# Altium PCB OCP-TimeCardMini-TI_V1.PcbDoc (part 9 of 11)
Units mil, origin at the board's own origin, x right, y up, seen from the top; angles counter-clockwise.
Board outline 5300.46 x 4396.02 mil, 10 copper layers (L01-TOP, L02-GND, L03-SIG, L04-GND, L05-PWR, L06-PWR, L07-GND, L08-SIG, L09-GND, L10-BOT), stack 77.164 mil thick; 832 components, 574 nets, 2904 pads, 1473 vias.
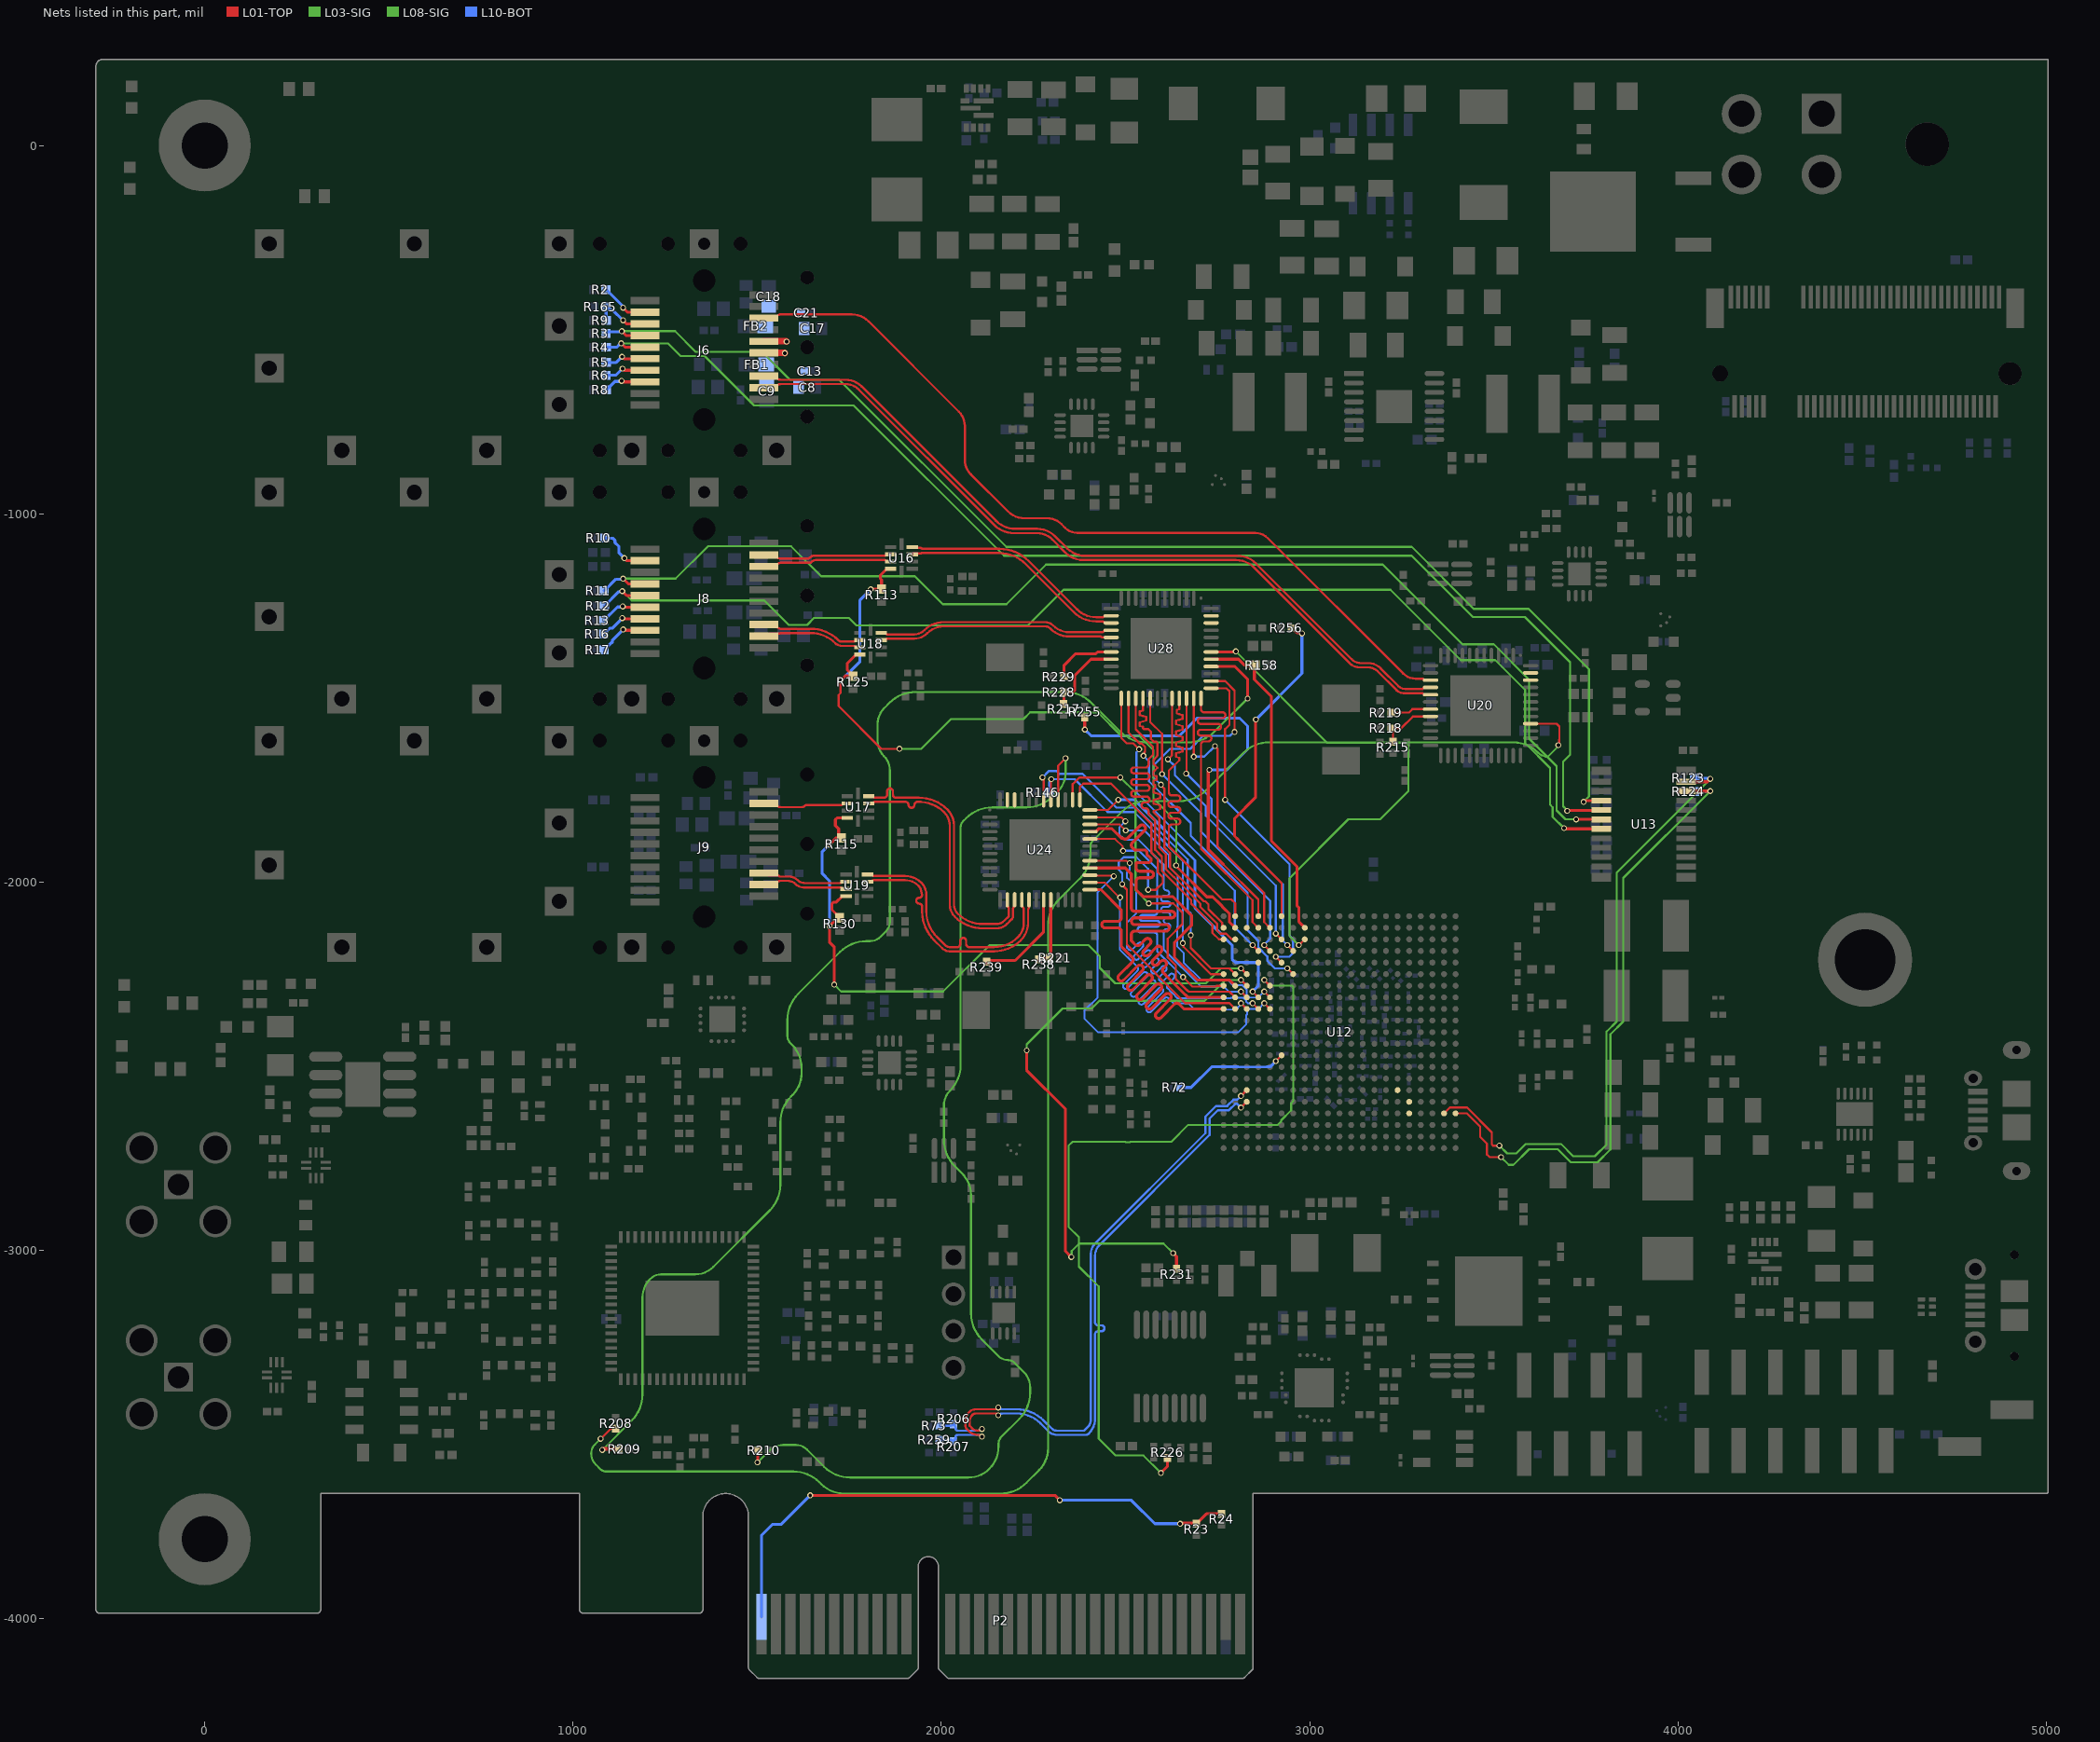
[diagram p17: the nets of this part, all layers, seen from the top]

## Via types
v1: diameter 16, hole 10, L01-TOP to L10-BOT, 1131 vias
v2: diameter 16, hole 10, L01-TOP to L10-BOT, tented both sides, 213 vias
v3: diameter 16, hole 10, L01-TOP to L10-BOT, tented top, 116 vias
v4: diameter 23.62, hole 11.81, L01-TOP to L10-BOT, 9 vias
v5: diameter 25.98, hole 12.99, L01-TOP to L10-BOT, tented top, 4 vias

## Nets (pads, with @x,y where several pads share a name; then routed paths per layer and width w, separated by ;. In a path a pad name is that pad's centre, name@x,y a point inside that pad or via, vN(x,y) a via of type N, cw(c..) or ccw(c..) an arc to the next point about the centre after c; other vN are vias at no path point) (continued)
PHY_SFP0_1G_P: J6.18 U20.15 | length 2286.3
  L01-TOP w6: J6.18@1517.72,-468.5 1540.17,-468.5 ccw(c1540.17,-451.43) J6.18@1552.23,-463.52 ; J6.18@1552.25,-463.5 cw(c1564.32,-475.58) 1564.32,-458.5 1756.71,-458.5 cw(c1756.71,-523.09) 1802.36,-477.39 2047.52,-722.56 ; 2047.55,-722.58 cw(c2008.58,-761.49) 2063.65,-761.49 2063.65,-853.18 ccw(c2119.55,-853.18) 2080.02,-892.71 2180.29,-992.99 ccw(c2226.14,-947.14) 2180.38,-993.07 ccw(c2226.14,-947.14) 2226.02,-1011.97 ccw(c2226.14,-947.14) 2226.14,-1011.97 2287.72,-1011.97 cw(c2287.72,-1065.99) 2325.92,-1027.8 2336.21,-1038.09 ccw(c2368.91,-1005.38) 2368.91,-1051.63 2852.03,-1051.63 cw(c2852.03,-1099.57) 2885.93,-1065.67 3253.8,-1433.54 ; 3253.83,-1433.58 ccw(c3287.52,-1399.81) 3287.52,-1447.51 3306.97,-1447.51 3311.06,-1451.61 U20.15@3328.09,-1451.61
PHY_SFP1_1G_N: U16.9 U28.14 | length 611.5
  L01-TOP w6: U16.9@1920.67,-1090.18 ccw(c1926.73,-1084.12) 1926.73,-1092.69 1943.57,-1092.69 cw(c1943.57,-1096.8) 1946.47,-1093.89 ccw(c1949.38,-1090.99) 1949.38,-1095.1 2157.98,-1095.1 cw(c2157.98,-1206.38) 2236.67,-1127.69 2368.04,-1259.07 ccw(c2420.38,-1206.73) 2420.38,-1280.74 2436.85,-1280.74 ccw(c2436.85,-1273.75) 2441.8,-1278.69 cw(c2446.74,-1283.64) 2446.74,-1276.65 U28.14@2460.87,-1276.65
PHY_SFP1_1G_P: U16.8 U28.15 | length 611.1
  L01-TOP w6: U16.8@1920.67,-1109.86 cw(c1926.73,-1115.93) 1926.73,-1107.35 1944.73,-1107.35 ccw(c1944.73,-1106.04) 1945.65,-1106.97 cw(c1946.58,-1107.9) 1946.58,-1106.59 2157.89,-1106.59 cw(c2157.89,-1206.59) 2228.6,-1135.87 2360,-1267.27 ccw(c2420.26,-1207) 2420.26,-1292.23 2436.85,-1292.23 cw(c2436.85,-1299.23) 2441.8,-1294.28 ccw(c2446.74,-1289.34) 2446.74,-1296.33 U28.15@2460.87,-1296.33
PHY_SFP2_1G_N: U17.9 U24.14 | length 748.9
  L01-TOP w6: U17.9@1802.91,-1766.58 1810.1,-1766.58 cw(c1810.1,-1773.57) 1815.05,-1768.63 ccw(c1820,-1763.68) 1820,-1770.68 1824,-1770.68 ; 1824.03,-1770.64 1841.62,-1770.64 1844.62,-1770.64 ccw(c1844.62,-1762.64) 1852.62,-1762.64 1852.62,-1753.61 cw(c1860.62,-1753.61) 1868.62,-1753.61 1868.62,-1762.64 ccw(c1876.62,-1762.64) 1876.62,-1770.64 1937.01,-1770.64 1938.98,-1770.64 cw(c1938.98,-1879.49) 2015.95,-1802.52 2016.14,-1802.72 cw(c1972.09,-1846.77) 2034.39,-1846.77 2034.39,-2061.43 ccw(c2068.34,-2061.43) 2044.33,-2085.43 ccw(c2112.73,-2017.03) 2112.73,-2113.76 2149.77,-2113.76 ccw(c2149.77,-2084.88) 2170.19,-2105.3 2183.23,-2092.26 2183.23,-2072.12 ccw(c2176.24,-2072.12) 2181.18,-2067.17 cw(c2186.13,-2062.22) 2179.13,-2062.22 U24.14@2179.13,-2048.1
PHY_SFP2_1G_P: U17.8 U24.15 | length 748.9
  L01-TOP w6: U17.8@1802.91,-1786.26 1810.1,-1786.26 ccw(c1810.1,-1779.27) 1815.05,-1784.21 cw(c1820,-1789.16) 1820,-1782.17 1828.76,-1782.17 ; 1828.79,-1782.13 1883.83,-1782.13 1902.83,-1782.13 cw(c1902.83,-1790.13) 1910.83,-1790.13 ccw(c1918.83,-1790.13) 1926.83,-1790.13 cw(c1934.83,-1790.13) 1934.83,-1782.13 1938.87,-1782.13 1943.58,-1782.24 cw(c1938.87,-1879.76) 1946.58,-1782.44 cw(c1938.87,-1879.76) 2007.9,-1810.73 cw(c1971.69,-1846.94) 2022.9,-1846.94 2022.9,-2061.52 ccw(c2068.1,-2061.52) 2036.14,-2093.48 2036.3,-2093.64 ccw(c2112.61,-2017.33) 2112.61,-2125.25 2149.87,-2125.25 ccw(c2149.87,-2085.14) 2178.24,-2113.5 2191.38,-2100.35 ccw(c2183.32,-2092.29) 2194.72,-2092.29 2194.72,-2072.12 cw(c2201.72,-2072.12) 2196.77,-2067.17 ccw(c2191.82,-2062.22) 2198.82,-2062.22 U24.15@2198.82,-2048.1
PORZ_OUT: U12.E17
PRG0_ECAP0_SYNC_IN: U12.V5
PRG0_IEP0_EDC_LATCH_IN0: R255.2 U12.V1 | length 1155.9
  L01-TOP w5.8: 2765.29,-1951.39 2860.75,-2046.84 U12.V1@2860.68,-2092.35
  L01-TOP w8: R255.2@2389.17,-1552.74 2389.17,-1585.58 v1(2389.29,-1585.7) ; v1(2727.6,-1695.33) 2724.53,-1698.4 2724.53,-1910.62 2765.29,-1951.39
  L10-BOT w8: v1(2389.29,-1585.7) 2406.51,-1602.93 2645.93,-1602.93 2694.11,-1554.74 2809.8,-1554.74 2831.37,-1576.31 2831.37,-1639.46 2775.51,-1695.33 v1(2727.6,-1695.33)
PRG0_IEP0_EDC_LATCH_IN1: R256.2 U12.T1 | length 930.4
  L01-TOP w5.8: 2805.92,-1884.82 2923.74,-2002.64 U12.T1@2923.68,-2092.35
  L01-TOP w8: 2805.92,-1884.82 2795.93,-1874.83 2795.93,-1827.58 2852.68,-1770.83 2852.68,-1559.74 v1(2853.72,-1558.7) ; R256.2@2951.1,-1309.99 2952.09,-1309.99 2965.36,-1323.26 2977.49,-1323.26 v1(2979.02,-1324.79)
  L10-BOT w8: v1(2853.72,-1558.7) 2979.02,-1433.39 v1(2979.02,-1324.79)
PRG0_MDIO0_MDC: U12.P3 U28.42 | length 1401.7
  L01-TOP w5.8: v2(2970.24,-2171.09) 2970.59,-2171.09 2986.34,-2155.35 U12.P3@2986.73,-2155.35
  L01-TOP w8: U28.42@2732.57,-1375.07 2797.56,-1375.07 v1(2799.25,-1373.37)
  L03-SIG w5.58: v1(2799.25,-1373.37) 3047.55,-1621.67 3260.35,-1621.67 3268.1,-1629.42 3268.1,-1752.87 3191.43,-1829.54 3104.95,-1829.54 2945.29,-1989.2 2945.29,-2146.14 v2(2970.24,-2171.09)
PRG0_MDIO0_MDIO: R158.1 U12.P2 U28.41 | length 893.5
  L01-TOP w7: 2970.68,-2098.98 2970.68,-2085.22
  L01-TOP w8: U28.41@2732.57,-1394.76 2807.05,-1394.76 2823.47,-1411.17 R158.1@2849.98,-1411.17 2849.98,-1449.59 2895.96,-1495.57 2895.96,-1887.72 2965.35,-1957.12 2965.35,-2061.85 2965.35,-2063.82 2970.68,-2069.15 2970.68,-2085.22 ; 2970.68,-2098.98 2970.93,-2099.23 2970.93,-2108.1 U12.P2@2986.68,-2123.85
PRG0_RGMII1_RD0: U12.Y1 U28.33 | length 962.5
  L01-TOP w5.8: U28.33@2645.93,-1501.08 2645.93,-1520.51 2645.93,-1530.42 2638.87,-1532.31 2638.87,-1542.31 2645.93,-1544.2 2654.82,-1546.58 2654.82,-1556.58 2645.93,-1558.96 2637.05,-1561.34 2637.05,-1571.34 2645.93,-1573.72 2654.82,-1576.11 2654.82,-1586.11 2645.93,-1588.49 2637.05,-1590.87 2637.05,-1600.87 2645.93,-1603.25 2654.82,-1605.63 2654.82,-1615.63 2645.93,-1618.01 2637.05,-1620.39 2637.05,-1630.39 2645.93,-1632.77 2654.82,-1635.15 2654.82,-1645.15 2645.93,-1647.53 2636.97,-1649.93 2636.97,-1659.93 2645.93,-1662.33 2645.93,-1665.23 2645.93,-1669.12 2617.82,-1697.24 2617.82,-1725.18 2617.82,-1756.54 ccw(c2625.72,-1756.54) 2625.72,-1764.44 2640.6,-1764.44 cw(c2640.6,-1772.34) 2640.6,-1780.24 2623.97,-1780.24 ccw(c2623.97,-1788.14) 2623.97,-1796.04 2640.6,-1796.04 cw(c2640.6,-1803.94) 2640.6,-1811.84 2623.97,-1811.84 ccw(c2623.97,-1819.74) 2623.97,-1827.64 2640.6,-1827.64 cw(c2640.6,-1835.54) 2640.6,-1843.44 2625.72,-1843.44 ccw(c2625.72,-1851.34) 2617.82,-1851.34 2617.82,-1870.04 2617.82,-1902.51 2762.21,-2046.9 2787.22,-2046.9 2797.75,-2057.44 U12.Y1@2797.68,-2092.35
PRG0_RGMII1_RD1: U12.R4 U28.34 | length 806.8
  L01-TOP w5.8: v1(2664.9,-1705.52) 2665.62,-1704.8 U28.34@2665.62,-1501.08 ; v2(2939.49,-2171.09) U12.R4@2955.23,-2186.84
  L10-BOT w5.8: v1(2664.9,-1705.52) 2665.71,-1705.52 2733.6,-1773.41 2733.6,-1812.51 2927.18,-2006.09 2927.18,-2158.79 v2(2939.49,-2171.09)
PRG0_RGMII1_RD2: U12.U2 U28.35 | length 782.9
  L01-TOP w5.8: v1(2685.26,-1659.34) v1(2685.26,-1659.34) U28.35@2685.3,-1501.08 ; v1(2742.75,-1630.57) 2749.84,-1637.66 2749.84,-1902.5 2876.4,-2029.07 2876.4,-2108.08 U12.U2@2892.18,-2123.85
  L10-BOT w5.8: v1(2685.26,-1659.34) 2713.98,-1659.34 v1(2742.75,-1630.57)
PRG0_RGMII1_RD3: U12.V2 U28.36 | length 979.7
  L01-TOP w5.8: U28.36@2704.99,-1501.08 2704.99,-1515.63 2704.99,-1530.86 ccw(c2712.89,-1530.86) 2712.89,-1538.76 2763.31,-1538.76 cw(c2763.31,-1546.66) 2763.31,-1554.56 2704,-1554.56 ccw(c2704,-1562.46) 2704,-1570.36 2751.56,-1570.36 cw(c2751.56,-1578.26) 2751.56,-1586.16 2704,-1586.16 ccw(c2704,-1594.06) 2704,-1601.96 2725.18,-1601.96 cw(c2725.18,-1609.86) 2725.18,-1617.76 2712.89,-1617.76 ccw(c2712.89,-1625.66) 2704.99,-1625.66 2704.99,-1644.36 2704.99,-1908.8 2845,-2048.81 2845,-2108.17 U12.V2@2860.68,-2123.85
PRG0_RGMII1_RX_CTL: U12.AA2 U28.38 | length 967.5
  L01-TOP w5.8: v1(2595.99,-1735.25) 2595.99,-1736.74 2605.27,-1746.02 2605.27,-1905.24 2620.97,-1920.94 2620.97,-1960.6 2712.34,-2051.96 2716.83,-2051.96 2725.38,-2060.52 2725.38,-2073.23 2762.51,-2110.37 2762.51,-2117.43 2766.18,-2121.09 U12.AA2@2766.18,-2123.85 ; U28.38@2732.57,-1453.81 2770.26,-1453.81 2796.22,-1479.77 v1(2796.22,-1592.21)
  L10-BOT w5.8: v1(2595.99,-1735.25) 2595.32,-1735.25 2575.89,-1715.83 2575.89,-1683.04 2620.95,-1637.99 2675.7,-1637.99 2710.76,-1602.93 2783.31,-1602.93 2794.03,-1592.21 v1(2796.22,-1592.21)
PRG0_RGMII1_RXC: U12.T3 U28.32 | length 786.9
  L01-TOP w5.8: v1(2614.93,-1666.49) 2626.17,-1655.24 2626.17,-1635.55 2626.25,-1635.47 U28.32@2626.25,-1501.08 ; v2(2907.99,-2139.6) U12.T3@2923.74,-2155.35
  L10-BOT w5.8: v1(2614.93,-1666.49) 2633.83,-1685.38 2633.83,-1709.59 2718.18,-1793.94 2718.18,-1819.87 2907.99,-2009.69 v2(2907.99,-2139.6)
PRG0_RGMII1_TD0: U12.Y3 U28.28 | length 919
  L01-TOP w5.8: U28.28@2547.51,-1501.08 2547.51,-1521.89 2547.51,-1534.09 2538.62,-1536.47 2538.62,-1546.47 2547.51,-1548.85 2556.39,-1551.23 2556.39,-1561.23 2547.51,-1563.61 2538.62,-1565.99 2538.62,-1575.99 2547.51,-1578.37 2547.51,-1581.27 2547.51,-1582.5 2549.56,-1584.55 2561.84,-1584.55 2568.91,-1591.62 2568.91,-1611.21 2575.98,-1618.29 2583.3,-1618.29 2585.35,-1620.34 2586.88,-1621.87 2586.88,-1655.63 2585.54,-1656.97 2585.54,-1658.65 2575.86,-1668.33 2575.86,-1673.13 ; 2575.89,-1673.16 2575.89,-1678.84 2586.45,-1689.4 2586.88,-1689.4 2575.89,-1700.38 2575.89,-1707.33 2575.89,-1710.23 2583.8,-1712.35 2583.8,-1722.35 2575.89,-1724.47 2575.89,-1734.47 2580.1,-1735.6 2580.1,-1745.6 2575.89,-1746.73 2575.89,-1756.73 2594.47,-1761.71 2594.47,-1771.71 2575.89,-1776.68 2575.89,-1786.68 2594.47,-1791.66 2594.47,-1801.66 2575.89,-1806.64 2575.89,-1809.54 2575.89,-1809.9 2591.43,-1825.43 2591.43,-1906.66 2609.4,-1924.64 2609.4,-1964.72 2631.75,-1987.07 2631.91,-1987.07 2702.92,-2058.07 2702.92,-2067.37 2748.55,-2113.01 2748.55,-2130.98 2757.17,-2139.6 2772.78,-2139.6 2788.53,-2155.35 U12.Y3@2797.75,-2155.35
PRG0_RGMII1_TD1: U12.AA3 U28.27 | length 1054.2
  L01-TOP w5.8: U28.27@2527.82,-1501.08 2527.82,-1585.4 2574.74,-1632.32 2574.74,-1654.18 2562.22,-1666.7 2562.22,-1680.89 cw(c2554.32,-1680.89) 2554.32,-1688.79 2523.04,-1688.79 ccw(c2523.04,-1696.69) 2523.04,-1704.59 2557.19,-1704.59 cw(c2557.19,-1712.49) 2557.19,-1720.39 2523.04,-1720.39 ccw(c2523.04,-1728.29) 2523.04,-1736.19 2557.19,-1736.19 cw(c2557.19,-1744.09) 2557.19,-1751.99 2523.04,-1751.99 ccw(c2523.04,-1759.89) 2523.04,-1767.79 2557.19,-1767.79 cw(c2557.19,-1775.69) 2557.19,-1783.59 2551.25,-1783.59 ccw(c2551.25,-1791.49) 2551.25,-1799.39 2554.32,-1799.39 cw(c2554.32,-1807.29) 2562.22,-1807.29 2562.22,-1810.19 2562.22,-1814.44 2580.63,-1832.85 2580.63,-1912.35 2598.6,-1930.32 2598.6,-1969.19 2635.78,-2006.37 2635.94,-2006.37 2678.41,-2048.84 2678.41,-2058.07 2692.12,-2071.78 2692.12,-2071.85 2736.19,-2115.92 2736.19,-2138.13 2753.41,-2155.35 U12.AA3@2766.26,-2155.35
PRG0_RGMII1_TD2: U12.R6 U28.26 | length 960.9
  L01-TOP w5.8: U28.26@2508.14,-1501.08 2508.14,-1593.65 2537.81,-1623.33 2543.57,-1623.33 2552.88,-1632.64 2552.88,-1645.82 2550.6,-1648.1 2550.6,-1654.74 v1(2548.65,-1656.69) ; v2(2939.49,-2234.09) U12.R6@2955.23,-2249.83
  L10-BOT w5.8: v1(2548.65,-1656.69) 2564.03,-1672.07 2564.03,-1726.18 2677.22,-1839.36 2677.22,-1874.28 2831.37,-2028.44 2831.37,-2130.19 2860.54,-2159.36 2860.54,-2177.5 2885.35,-2202.31 2885.35,-2214.18 2905.25,-2234.09 v2(2939.49,-2234.09)
PRG0_RGMII1_TD3: U12.V4 U28.25 | length 856.3
  L01-TOP w5.8: U28.25@2488.45,-1501.08 2488.45,-1608.43 2502.88,-1622.85 2520.61,-1622.85 v1(2536.98,-1639.23) ; v2(2845,-2171.09) U12.V4@2860.75,-2186.84
  L10-BOT w5.8: v1(2536.98,-1639.23) 2536.98,-1640.5 2529.76,-1647.73 2529.76,-1756.5 2796.65,-2023.39 2796.65,-2122.74 v2(2845,-2171.09)
PRG0_RGMII1_TX_CTL: U12.T5 U28.37 | length 918.1
  L01-TOP w5.8: U28.37@2732.57,-1473.5 2773.86,-1473.5 2782.01,-1481.65 2782.01,-1573.05 2770.26,-1584.8 v1(2770.26,-1776.4) ; v2(2907.99,-2202.59) U12.T5@2923.74,-2218.34
  L10-BOT w5.8: v1(2770.26,-1776.4) 2945.29,-1951.43 2945.29,-2145.11 2954.75,-2154.57 2954.75,-2192.4 2944.56,-2202.59 v2(2907.99,-2202.59)
PRG0_RGMII1_TXC: U12.U4 U28.29 | length 834.2
  L01-TOP w5.8: U28.29@2567.19,-1501.08 2567.19,-1565.29 2599.25,-1597.34 2599.25,-1659.69 2599.03,-1659.9 2599.03,-1673.07 2599.25,-1673.29 v1(2599.25,-1706.61) ; v2(2876.49,-2171.09) U12.U4@2892.24,-2186.84
  L10-BOT w5.8: v1(2599.25,-1706.61) 2704.99,-1812.35 2704.99,-1862.95 2892.94,-2050.9 2892.94,-2061.85 2892.94,-2153.18 2876.49,-2169.63 v2(2876.49,-2171.09)
PRG1_IEP0_EDC_SYNC_OUT0: R231.1 U12.W7 | length 1662.6
  L01-TOP w5.8: v2(2813.5,-2265.58) U12.W7@2829.25,-2281.33
  L01-TOP w8: v1(2231.49,-2456.72) 2231.49,-2510.38 2336.61,-2615.51 2336.61,-3001.77 v1(2352.78,-3017.93) ; v1(2629.26,-3007.37) 2638.66,-3016.76 R231.1@2638.66,-3049.97
  L03-SIG w5.58: v1(2231.49,-2456.72) 2231.49,-2440.27 2328.94,-2342.82 2408.54,-2342.82 2428.96,-2322.39 2714.96,-2322.39 2771.77,-2265.58 v2(2813.5,-2265.58) ; v1(2352.78,-3017.93) 2353.56,-3017.15 2353.56,-3001.56 2373.74,-2981.38 2603.27,-2981.38 v1(2629.26,-3007.37)
PRG1_IEP0_EDC_SYNC_OUT1: R226.1 U12.U7 | length 2178.1
  L01-TOP w5.8: v2(2876.49,-2265.58) U12.U7@2892.24,-2281.33
  L01-TOP w8: v1(2596.07,-3604.29) 2613.47,-3586.89 R226.1@2613.47,-3563.48
  L08-SIG w5.58: v1(2596.07,-3604.29) 2548.62,-3556.84 2473.1,-3556.84 2427.03,-3510.78 2427.03,-3097.75 2373.32,-3044.04 2373.32,-2963.74 2345.19,-2935.62 2345.19,-2715.91 2356.05,-2705.04 2498.81,-2705.04 2499.69,-2705.93 2512.77,-2705.93 2513.66,-2705.04 2624.22,-2705.04 2670.24,-2659.03 2735.68,-2659.03 2913.42,-2659.03 2922.78,-2649.66 2922.78,-2646.83 2949.82,-2619.8 2949.82,-2600.21 2955.46,-2594.57 2955.46,-2284.54 2951.69,-2280.76 2891.67,-2280.76 v2(2876.49,-2265.58)
PRG1_MDIO0_MDC: U12.Y6 U24.42 | length 957.4
  L01-TOP w5.8: v1(2274.23,-1715.83) 2274.23,-1718.59 2277.56,-1721.92 U24.42@2277.56,-1776.4 ; v3(2676.9,-2144.1) 2676.9,-2178.63 2732.36,-2234.09 2782.01,-2234.09 U12.Y6@2797.75,-2249.83
  L10-BOT w5.8: v1(2274.23,-1715.83) 2274.71,-1715.83 2292.53,-1698 2312.21,-1698 2319.99,-1705.78 2383.2,-1705.78 2475.26,-1797.84 2528.28,-1797.84 2669.08,-1938.64 2669.08,-2077.14 2676.9,-2084.96 v3(2676.9,-2144.1)
PRG1_MDIO0_MDIO: R146.1 U12.AA6 U24.41 | length 918.3
  L01-TOP w5.8: U24.41@2297.24,-1776.4 2297.24,-1721.29 v1(2298.2,-1720.33) ; v3(2655.53,-2165.43) 2657.48,-2167.38 2657.48,-2175.51 2731.8,-2249.83 U12.AA6@2766.26,-2249.83
  L10-BOT w5.8: R146.1@2292.93,-1756.97 2292.93,-1728.37 2298.2,-1723.09 v1(2298.2,-1720.33) 2361.89,-1720.33 2451.42,-1809.86 2523.31,-1809.86 2655.53,-1942.09 v3(2655.53,-2165.43)
PRG1_RGMII1_RD0: U12.Y7 U24.33 | length 1031.7
  L01-TOP w7.46: 2735.68,-2265.58 2773.04,-2265.58
  L01-TOP w8: U24.33@2403.56,-1863.04 2419.28,-1863.04 2420.37,-1861.94 2420.37,-1861.75 2427.27,-1854.85 2427.55,-1854.85 2463.19,-1854.85 2488.01,-1879.68 2488.98,-1880.64 2492.7,-1880.64 ccw(c2499.07,-1874.28) 2505.43,-1880.64 2538.83,-1847.25 cw(c2545.2,-1853.61) 2551.56,-1847.25 cw(c2545.2,-1853.61) 2551.56,-1859.98 2518.16,-1893.37 ccw(c2524.53,-1899.74) 2518.16,-1906.1 2524.58,-1912.52 2553.24,-1912.52 2557.93,-1917.21 2557.93,-1924.39 2569.27,-1935.73 2569.27,-1942.36 2564.58,-1947.04 2528.93,-1947.04 2528.93,-1961.23 ccw(c2537.93,-1961.23) 2537.93,-1970.23 2566.9,-1970.23 cw(c2566.9,-1979.23) 2566.9,-1988.23 2537.93,-1988.23 ccw(c2537.93,-1997.23) 2528.93,-1997.23 2528.93,-2019.24 2528.93,-2020.7 2547.26,-2039.03 2627.72,-2039.03 2679.37,-2090.68 2679.37,-2117.56 2632.85,-2164.07 2632.85,-2203.76 2694.67,-2265.58 2735.68,-2265.58 ; 2773.06,-2265.6 2781.93,-2265.6 U12.Y7@2797.65,-2281.33
PRG1_RGMII1_RD1: U12.U8 U24.34 | length 853.5
  L01-TOP w5: U24.34@2403.56,-1843.35 2484.3,-1843.35 v1(2500.59,-1859.64)
  L01-TOP w5.8: v2(2876.49,-2297.08) U12.U8@2892.24,-2312.83
  L10-BOT w5: v1(2500.59,-1859.64) 2550.72,-1859.64 2617.99,-1926.91 2617.99,-1958.66 2642.2,-1982.88 2642.2,-2118.79 2640.03,-2120.96 2640.03,-2174.11 2657.79,-2191.86 2657.79,-2218.39 2704.99,-2265.58 2777.59,-2265.58 2791.84,-2279.83 2807.24,-2279.83 2807.5,-2280.08 2817.46,-2280.08 2828.83,-2291.46 2828.83,-2304.59 2837.54,-2313.29 2860.28,-2313.29 v2(2876.49,-2297.08)
PRG1_RGMII1_RD2: U12.W8 U24.35 | length 921.7
  L01-TOP w5: U24.35@2403.56,-1823.67 2488.55,-1823.67 v1(2499.5,-1834.61)
  L01-TOP w5.8: v2(2813.5,-2297.08) U12.W8@2829.25,-2312.83
  L10-BOT w5: v1(2499.5,-1834.61) 2483,-1851.12 2483,-1870.17 2497.52,-1884.69 2535.1,-1884.69 2603.68,-1953.26 2603.68,-1960.44 2603.68,-2014.81 ccw(c2611.18,-2014.81) 2611.18,-2022.31 2611.39,-2022.31 cw(c2611.39,-2029.81) 2611.39,-2037.31 2604,-2037.31 ccw(c2604,-2044.81) 2604,-2052.31 2614.05,-2052.31 cw(c2614.05,-2059.81) 2614.05,-2067.31 2604,-2067.31 ccw(c2604,-2074.81) 2604,-2082.31 2614.05,-2082.31 cw(c2614.05,-2089.81) 2614.05,-2097.31 2611.18,-2097.31 ccw(c2611.18,-2104.81) 2611.18,-2112.31 2614.05,-2112.31 cw(c2614.05,-2119.81) 2614.05,-2127.31 2611.18,-2127.31 ccw(c2611.18,-2134.81) 2603.68,-2134.81 2603.68,-2152.31 2603.68,-2182.59 2704.56,-2283.48 2766.66,-2283.48 2780.26,-2297.08 v2(2813.5,-2297.08)
PRG1_RGMII1_RD3: U12.V8 U24.36 | length 854.4
  L01-TOP w5: U24.36@2403.56,-1803.98 2452.74,-1803.98 v1(2480.3,-1776.42)
  L01-TOP w5.8: v2(2845,-2297.08) U12.V8@2860.75,-2312.83
  L10-BOT w7.13: 2860.93,-2272.23 2860.93,-2258.98
  L10-BOT w7.41: 2806.58,-2218.29 2820.34,-2218.29
  L10-BOT w8: v1(2480.3,-1776.42) 2524.2,-1776.42 2688.51,-1940.73 2688.51,-2069.98 2735.68,-2117.15 2789.36,-2170.83 2789.36,-2209.21 2798.45,-2218.29 2806.58,-2218.29 ; 2820.34,-2218.29 2820.64,-2218.59 2855.58,-2218.59 2860.7,-2223.71 2860.7,-2258.75 2860.93,-2258.98 ; v2(2845,-2297.08) 2860.49,-2281.58 2860.49,-2272.67 2860.93,-2272.23
PRG1_RGMII1_RX_CTL: U12.Y8 U24.38 | length 1042.6
  L01-TOP w5.8: U24.38@2356.3,-1776.4 2356.3,-1734.11 2374.58,-1715.83 v1(2486.17,-1715.83) ; v1(2563.33,-2057.7) 2629.56,-2057.7 2654.17,-2082.31 2654.17,-2114.35 2614.58,-2153.94 2614.58,-2204.13 2636.62,-2226.18 2636.62,-2263.08 2668.2,-2294.66 2668.57,-2294.66 2671.35,-2297.44 2782.37,-2297.44 U12.Y8@2797.75,-2312.83
  L03-SIG w5.8: v1(2486.17,-1715.83) 2527.16,-1756.82 2527.16,-2021.53 v1(2563.33,-2057.7)
PRG1_RGMII1_RXC: U12.AA7 U24.32 | length 855.6
  L01-TOP w5: U24.32@2403.56,-1882.72 2471.52,-1882.72 2492.5,-1903.7 2492.5,-1914.29 v1(2493.16,-1914.95)
  L01-TOP w5.8: v2(2656.22,-2257.9) 2681.8,-2283.48 2745.21,-2283.48 2747.36,-2281.33 U12.AA7@2766.26,-2281.33
  L10-BOT w5.8: v1(2493.16,-1914.95) 2536.92,-1914.95 2586.1,-1964.14 2586.1,-2062.73 2586.1,-2081.43 cw(c2578.2,-2081.43) 2578.2,-2089.33 2546.26,-2089.33 ccw(c2546.26,-2097.23) 2546.26,-2105.13 2585.38,-2105.13 cw(c2585.38,-2113.03) 2585.38,-2120.93 2540.94,-2120.93 ccw(c2540.94,-2128.83) 2540.94,-2136.73 2578.2,-2136.73 cw(c2578.2,-2144.63) 2586.1,-2144.63 2586.1,-2174.54 2586.1,-2187.79 v2(2656.22,-2257.9)
PRG1_RGMII1_TD0: U12.AA8 U24.28 | length 1212
  L01-TOP w8: U24.28@2403.56,-1961.46 2499.53,-1961.46 2515.75,-1977.68 2515.75,-2030.05 2515.75,-2070.06 ccw(c2524.76,-2070.06) 2524.76,-2079.06 2625.09,-2079.06 cw(c2625.09,-2088.06) 2625.09,-2097.06 2524.76,-2097.06 ccw(c2524.76,-2106.06) 2524.76,-2115.06 2609.62,-2115.06 cw(c2609.62,-2124.06) 2609.62,-2133.07 2524.76,-2133.07 ccw(c2524.76,-2142.07) 2515.75,-2142.07 2515.75,-2159.04 2520.97,-2164.25 2523.73,-2167.01 2526.56,-2169.84 ccw(c2532.93,-2163.48) 2539.29,-2169.84 2553.7,-2155.44 cw(c2560.06,-2161.8) 2566.43,-2155.44 cw(c2560.06,-2161.8) 2566.43,-2168.17 2549.53,-2185.07 ccw(c2555.89,-2191.43) 2549.53,-2197.8 ccw(c2555.89,-2191.43) 2562.26,-2197.8 2583.59,-2176.47 cw(c2589.95,-2182.83) 2596.32,-2176.47 cw(c2589.95,-2182.83) 2596.32,-2189.2 2574.99,-2210.53 ccw(c2581.35,-2216.89) 2574.99,-2223.26 ccw(c2581.35,-2216.89) 2587.71,-2223.26 2595.93,-2215.04 cw(c2602.29,-2221.41) 2608.66,-2215.04 cw(c2602.3,-2221.41) 2608.66,-2227.77 2602.94,-2233.49 ccw(c2609.3,-2239.86) 2602.94,-2246.22 2617.4,-2260.68 2663.27,-2306.56 2663.64,-2306.56 2669.91,-2312.83 U12.AA8@2766.26,-2312.83
PRG1_RGMII1_TD1: U12.U9 U24.27 | length 1064.2
  L01-TOP w5: U24.27@2403.56,-1981.15 2404.41,-1981.99 2465.94,-1981.99 v1(2467.91,-1983.96)
  L01-TOP w5.8: v2(2876.49,-2328.57) U12.U9@2892.24,-2344.32
  L10-BOT w5: v1(2467.91,-1983.96) 2424.22,-2027.65 2424.22,-2313.33 2388.32,-2349.23 2388.32,-2370.81 2424.95,-2407.44 2806.37,-2407.44 2828,-2385.81 2828,-2360.89 2829.9,-2358.99 2829.9,-2348.74 2834.27,-2344.37 2860.7,-2344.37 v2(2876.49,-2328.57)
PRG1_RGMII1_TD2: U12.W9 U24.26 | length 1192.8